# Altium PCB DUAL OC OUTPUT.PcbDoc
Units mil, origin at the board's own origin, x right, y up, seen from the top; angles counter-clockwise.
Board outline 3421 x 1967 mil, 2 copper layers (Top Layer, Bottom Layer); 12 components, 54 nets, 125 pads, 3 vias.
Unrouted connection lines stored in the file: 8.
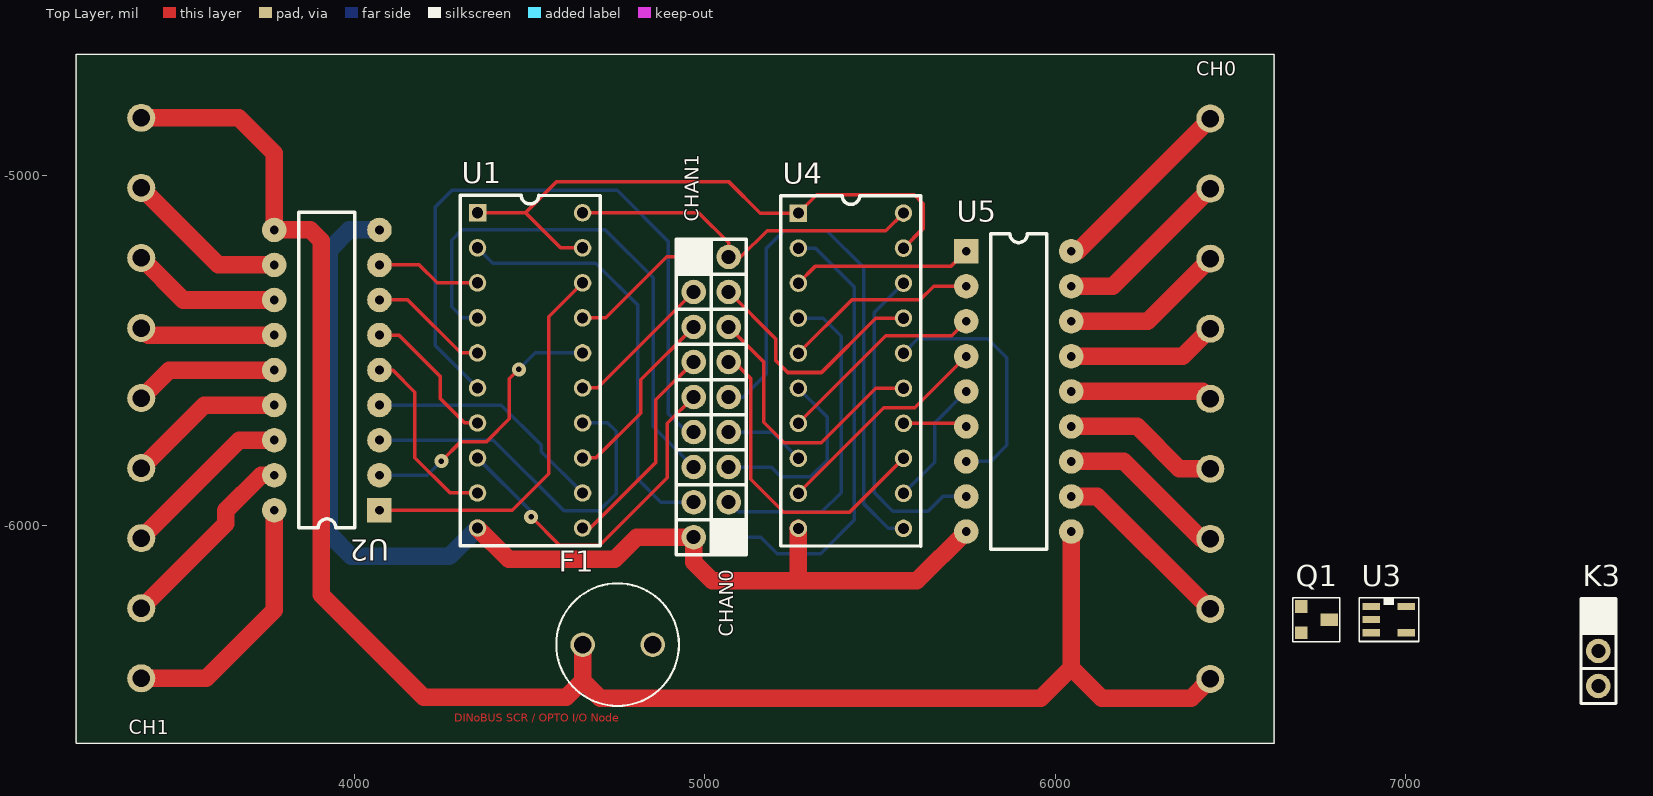
[diagram p0: Top Layer view]
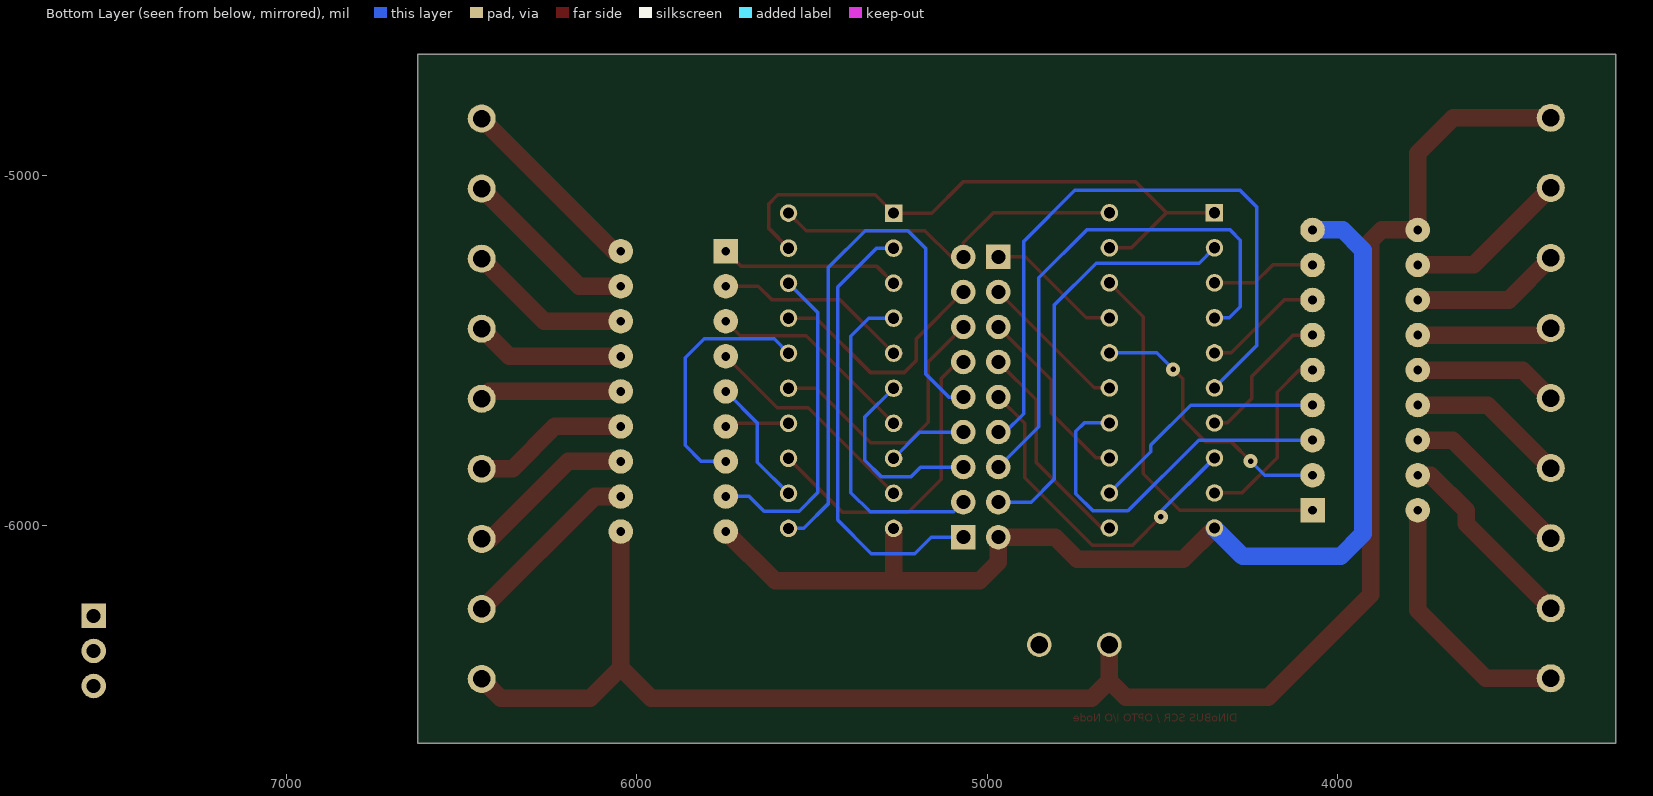
[diagram p1: Bottom Layer view, seen from below]

## Layer stack, top to bottom
Top Layer: signal copper 1.4
Dielectric: core 12.6, FR-4, Dk 4.8
Bottom Layer: signal copper 1.4

## Board outline
3205,-6621 6626,-6621 6626,-4654 3205,-4654

## Design rules (kind name [scope] priority, off if disabled: settings)
AssemblyTestPointUsage [All] p1 off:
AssemblyTestpoint [All] p1 off: testpointundercomponent=TRUE minsize=40 maxsize=100 preferedsize=60 minholesize=0 maxholesize=40 preferedholesize=32 testpointgrid=1 usegrid=TRUE gridtolerance=0.01 allowsidetop=TRUE allowsidebottom=TRUE
Clearance [All] p1: gap=10
ComponentClearance [All] p1 off: gap=10 collisioncheckmode=3 verticalgap=10 showdistances=FALSE
DiffPairsRouting [All] p1 off: maxlimit=10 minlimit=10 mostfreqgap=10 maxuncoupledlength=500
FabricationTestPointUsage TestPointUsage [All] p1 off: valid=0 allowmultiple=FALSE
FabricationTestpoint Testpoint [All] p1 off: side=3 testpointundercomponent=TRUE minsize=40 maxsize=100 preferedsize=60 minholesize=0 maxholesize=40 preferedholesize=32 testpointgrid=1 allowsidetop=TRUE allowsidebottom=TRUE usegrid=TRUE gridtolerance=0.01
FanoutControl Fanout_BGA [IsBGA] p1 off: bgadir=Out bgaviamode=Centered fanoutstyle=Auto fanoutdirection=Alternating viagrid=1 // Fanout_BGA (Default Rule)
FanoutControl Fanout_LCC [IsLCC] p2 off: bgadir=Out bgaviamode=Centered fanoutstyle=Auto fanoutdirection=Alternating viagrid=1 // Fanout_LCC (Default Rule)
FanoutControl Fanout_SOIC [IsSOIC] p3 off: bgadir=Out bgaviamode=Centered fanoutstyle=Auto fanoutdirection=Alternating viagrid=1 // Fanout_SOIC (Default Rule)
FanoutControl Fanout_Small [(CompPinCount < 5)] p4 off: bgadir=Out bgaviamode=Centered fanoutstyle=Auto fanoutdirection=OutThenIn viagrid=1 // Fanout_Small (Default Rule)
FanoutControl Fanout_Default [All] p5 off: bgadir=Out bgaviamode=Centered fanoutstyle=Auto fanoutdirection=Alternating viagrid=1 // Fanout_Default (Default Rule)
Height [All] p1 off: minheight=0 maxheight=1000 prefheight=500
HoleSize [All] p1: absolutevalues=TRUE maxlimit=500 minlimit=1 maxpercent=80.000 minpercent=20.000
LayerPairs [All] p1 off: enforce=TRUE
MinimumAnnularRing "Minimum Annular Ring" [All] p1: minimumring=5 // This is manufacturing dependent. Sierra = 5. This can go to 4 if needed, but keep 5 if possible
MinimumSolderMaskSliver [All] p1 off: minsoldermaskwidth=10
PasteMaskExpansion [All] p1 off: expansion=0
PlaneClearance [All] p1: clearance=6
PlaneConnect "PlaneConnect GND" [InNet('GND')] p1: planeconnectstyle=Direct reliefexpansion=6 reliefentries=4 reliefconductorwidth=10 reliefairgap=6
PlaneConnect "PlaneConnect GENERIC" [All] p2: planeconnectstyle=Relief reliefexpansion=20 reliefentries=4 reliefconductorwidth=10 reliefairgap=10
PolygonConnect [All] p1: connectstyle=Direct reliefconductorwidth=15 reliefentries=4 polygonreliefangle="90 Angle"
RoutingPriority [All] p1 off: routingpriority=0
RoutingTopology [All] p1 off: topology=Shortest
RoutingVias "Routing Vias" [All] p1: holewidth=10 width=30 viastyle="Through Hole" minholewidth=16 minwidth=40 maxholewidth=80 maxwidth=100 // Generic routing via rules
ShortCircuit "Short Circuit Generic Rule" [All] p1: allowed=FALSE // Short circuit Rule : No shorts allowed
SilkToSilkClearance [All] p1 off: silktosilkclearance=10
SilkscreenOverComponentPads [All] p1 off: minsilkscreentomaskgap=10
SolderMaskExpansion "SolderMask Expansion Via's" [(IsVia)] p1: expansion=-40 // Via's should be painted closed. Set to -40
SolderMaskExpansion "Solder Mask Expansion Generic" [All] p2: expansion=2 // Generic solder mask expansion
UnRoutedNet "Un Routed Net" [All] p1:  // Broken Nets not allowed
Width "Generic Width Rules" [All] p1: maxlimit=100 minlimit=10 preferedwidth=10 minimp=50.000000 maximp=50.000000 favimp=50.000000 // Generic width rules applicable if no specific rule is in effect
4 further rules are at their usual default settings.

## Components (designator, comment, footprint, x,y, rotation, side; value= is the part's Value field where it differs from the comment)
CH0 "PRKR-9-5.08MM" PRKR-9-5.08MM 6443,-6438 r90 top
CH1 "PRKR-9-5.08MM" PRKR-9-5.08MM 3391,-4836 r270 top
CHAN0 "HEADER-1X9" HEADER-1X9 5068,-6033 r180 top
CHAN1 "HEADER-1X9" HEADER-1X9 4968,-5233 r0 top
F1 "FUSE-372SERIES" FUSE-372 4651,-6340 r0 top
K3 "HEADER-1X3" HEADER-1X3 7551,-6258 r0 top
Q1 "2N7002" SOT23-GDS 6703,-6231 r0 top
U1 "74HCT240" DIP20 4351,-5107 r0 top
U2 "ULN2803DIL" DIP18 4071,-5956 r180 top
U3 "74V1G14" SOT23-5 6903,-6231 r0 top
U4 "74HCT240" DIP20 5267,-5108 r0 top
U5 "ULN2803DIL" DIP18 5746,-5217 r0 top

## Footprints (in the part's own frame and the unit in brackets; to place one, negate y for a bottom-side part, rotate by r counter-clockwise, add the part's x,y. Pads: shape width x height; smd on the part's side, far side on the other; paste and mask are expansions set on the pad)
DIP18 [mil]
  rect 70x70 hole 25: 1(0,0)
  round 70 hole 25: 2(0,-100) 3(0,-200) 4(0,-300) 5(0,-400) 6(0,-500) 7(0,-600) 8(0,-700) 9(0,-800) 10(300,-800) 11(300,-700) 12(300,-600) 13(300,-500) 14(300,-400) 15(300,-300) 16(300,-200) 17(300,-100) 18(300,0)
  silkscreen extent 70,-850 230,50
DIP20 [mil]
  rect 50x50 hole 32: 1(0,0)
  round 50 hole 32: 2(0,-100) 3(0,-200) 4(0,-300) 5(0,-400) 6(0,-500) 7(0,-600) 8(0,-700) 9(0,-800) 10(0,-900) 11(300,-900) 12(300,-800) 13(300,-700) 14(300,-600) 15(300,-500) 16(300,-400) 17(300,-300) 18(300,-200) 19(300,-100) 20(300,0)
  silkscreen extent -50,-951 350,50
FUSE-372 [mil]
  round 70 hole 50 unplated mask+2: 1(0,0) 2(200,0)
  silkscreen extent -75,-175 275,175, body extent -66,-167 267,167, height 315
HEADER-1X3 [mil]
  rect 70x70 hole 40: 1(0,0)
  round 70 hole 40: 2(0,-100) 3(0,-200)
  silkscreen extent -50,-250 50,50, body extent -50,-250 50,50, height 470
HEADER-1X9 [mil]
  rect 70x70 hole 40: 1(0,0)
  round 70 hole 40: 2(0,-100) 3(0,-200) 4(0,-300) 5(0,-400) 6(0,-500) 7(0,-600) 8(0,-700) 9(0,-800)
  silkscreen extent -50,-850 50,50, body extent -50,-850 50,50, height 470
PRKR-9-5.08MM [mil]
  round 80 hole 50 unplated mask+2: 1(0,0) 2(200,0) 3(400,0) 4(600,0) 5(800,0) 6(1000,0) 7(1200,0) 8(1400,0) 9(1600,0)
  body extent -100,-177 1720,177, height 598
SOT23-5 [mil]
  rect 50x20 smd: 1(0,0) 2(0,-37) 3(0,-75) 4(100,-75) 5(100,0)
  silkscreen extent -35,-100 135,25, body extent 2,-95 98,20, height 52
SOT23-GDS [mil]
  rect 50x36 smd: D(80,-38)
  rect 36x36 smd: G(0,0) S(0,-75)
  silkscreen extent -25,-100 110,25, body extent -3,-95 94,20, height 41

## Part data
F1: "FUSE-372"
Q1: library part 2N7002-SOT23, "N CHANNEL MOSFET 2N7002 SOT23"
U1 U4: library part 74240DIL, "74240"
U2 U5: "OCTAL HIGH CURRENT DRIVER"
U3: "SINGLE GATE SCHMITTTRIGGER"

## Via types
v1: diameter 40, hole 16, Top Layer to Bottom Layer, 3 vias

## Nets (pads, with @x,y where several pads share a name; then routed paths per layer and width w, separated by ;. In a path a pad name is that pad's centre, name@x,y a point inside that pad or via, vN(x,y) a via of type N, cw(c..) or ccw(c..) an arc to the next point about the centre after c; other vN are vias at no path point)
GND: CHAN1.9 K3.1 Q1.S U1.10 U2.9 U3.3 U4.10 U5.9 | length 3225.7
  Top Layer w50: U1.10 4440,-6096 4743,-6096 4806,-6033 CHAN1.9 4968,-6105 5021,-6158 5277,-6158 ; U4.10 5267,-6148 5277,-6158 ; U5.9 5605,-6158 5277,-6158
  Bottom Layer w50: U2.9 3985,-5156 3927,-5214 3927,-6024 3990,-6087 4271,-6087 U1.10
NetCH0_1: CH0.1 CH1.1 F1.1 U2.10 U5.10 | length 5084.7
  Top Layer w50: CH1.1 3670,-4836 3771,-4937 U2.10 3874,-5156 3905,-5187 3905,-6198 4197,-6490 4604,-6490 4651,-6443 ; F1.1 4651,-6443 ; U5.10 6046,-6406 ; CH0.1 6388,-6493 6133,-6493 6046,-6406 ; 4651,-6443 4701,-6493 5959,-6493 6046,-6406
NetCH0_2: CH0.2 U5.11 | length 530
  Top Layer w50: U5.11 6120,-5917 6441,-6238 CH0.2
NetCH0_3: CH0.3 U5.12 | length 488.5
  Top Layer w50: U5.12 6196,-5817 6417,-6038 CH0.3
NetCH0_4: CH0.4 U5.13 | length 447.1
  Top Layer w50: U5.13 6234,-5717 6355,-5838 CH0.4
NetCH0_5: CH0.5 U5.14 | length 405.7
  Top Layer w50: U5.14 6422,-5617 CH0.5
NetCH0_6: CH0.6 U5.15 | length 429.7
  Top Layer w50: U5.15 6364,-5517 CH0.6
NetCH0_7: CH0.7 U5.16 | length 471.1
  Top Layer w50: U5.16 6264,-5417 CH0.7
NetCH0_8: CH0.8 U5.17 | length 512.6
  Top Layer w50: U5.17 6164,-5317 CH0.8
NetCH0_9: CH0.9 U5.18 | length 554
  Top Layer w50: U5.18 6064,-5217 CH0.9
NetCH1_2: CH1.2 U2.11 | length 471.1
  Top Layer w50: CH1.2 3611,-5256 U2.11
NetCH1_3: CH1.3 U2.12 | length 429.7
  Top Layer w50: CH1.3 3511,-5356 U2.12
NetCH1_4: CH1.4 U2.13 | length 388.3
  Top Layer w50: CH1.4 3411,-5456 U2.13
NetCH1_5: CH1.5 U2.14 | length 413.1
  Top Layer w50: CH1.5 3471,-5556 U2.14
NetCH1_6: CH1.6 U2.15 | length 454.6
  Top Layer w50: CH1.6 3571,-5656 U2.15
NetCH1_7: CH1.7 U2.16 | length 496
  Top Layer w50: CH1.7 3671,-5756 U2.16
NetCH1_8: CH1.8 U2.17 | length 559.7
  Top Layer w50: CH1.8 3632,-5995 3632,-5957 3733,-5856 U2.17
NetCH1_9: CH1.9 U2.18 | length 746.4
  Top Layer w50: CH1.9 3577,-6436 3771,-6242 U2.18
NetCHAN0_1: CHAN0.1 U4.2 | length 1289.2
  Bottom Layer w10: CHAN0.1 5160,-6033 5207,-6080 5331,-6080 5427,-5984 5427,-5319 5316,-5208 U4.2
NetCHAN0_2: CHAN0.2 U4.4 | length 945.5
  Bottom Layer w10: CHAN0.2 5096,-5961 5334,-5961 5389,-5906 5389,-5459 5338,-5408 U4.4
NetCHAN0_3: CHAN0.3 U4.6 | length 551.2
  Bottom Layer w10: CHAN0.3 5190.16,-5833 5217.16,-5860 5303,-5860 5349,-5814 5349,-5690 U4.6
NetCHAN0_4: CHAN0.4 U4.8 | length 230.1
  Bottom Layer w10: CHAN0.4 5192,-5733 U4.8
NetCHAN0_5: CHAN0.5 U4.11 | length 1653
  Bottom Layer w10: CHAN0.5 5110,-5633 5176,-5567 5176,-5208 5226,-5158 5348,-5158 5453,-5263 5453,-5937 5524,-6008 U4.11
NetCHAN0_6: CHAN0.6 U4.13 | length 909.2
  Top Layer w10: CHAN0.6 5084,-5533 5131,-5580 5131,-5868 5225,-5962 5413,-5962 U4.13
NetCHAN0_7: CHAN0.7 U4.15 | length 801.5
  Top Layer w10: CHAN0.7 5168,-5533 5168,-5705 5227,-5764 5332,-5764 5488,-5608 U4.15
NetCHAN0_8: CHAN0.8 U4.17 | length 694.2
  Top Layer w10: CHAN0.8 5203,-5468 5203,-5529 5237,-5563 5333,-5563 5488,-5408 U4.17
NetCHAN1_1: CHAN1.1 U1.17 | length 389.1
  Top Layer w10: U1.17 4717,-5407 4891,-5233 CHAN1.1
NetCHAN1_2: CHAN1.2 U1.15 | length 430.5
  Top Layer w10: U1.15 4694,-5607 CHAN1.2
NetCHAN1_3: CHAN1.3 U1.13 | length 527.6
  Top Layer w10: U1.13 4689,-5807 4817,-5679 4817,-5584 CHAN1.3
NetCHAN1_4: CHAN1.4 U1.11 | length 618.2
  Top Layer w10: U1.11 4673,-6007 4860,-5820 4860,-5641 CHAN1.4
NetCHAN1_5: CHAN1.5 U1.8 | length 994.9
  Top Layer w10: v1(4504,-5975) 4585,-6056 4700,-6056 4893,-5863 4893,-5708 CHAN1.5
  Bottom Layer w10: U1.8 4504,-5960 v1(4504,-5975)
NetCHAN1_6: CHAN1.6 U1.6 | length 1897.2
  Bottom Layer w10: U1.6 4231,-5487 4231,-5090 4278,-5043 4750,-5043 4896,-5189 4896,-5681 4948,-5733 CHAN1.6
NetCHAN1_7: CHAN1.7 U1.4 | length 1509.6
  Bottom Layer w10: U1.4 4309,-5407 4277,-5375 4277,-5185 4306,-5156 4716,-5156 4853,-5293 4853,-5718 CHAN1.7
NetCHAN1_8: CHAN1.8 U1.2 | length 1208.9
  Bottom Layer w10: U1.2 4395,-5251 4689,-5251 4809,-5371 4809,-5868 4874,-5933 CHAN1.8
NetF1_2: F1.2 K3.2
NetK3_3: K3.3 Q1.G U3.2
NetU1_1: U1.1 U1.19 U3.4 U4.1 U4.19 | length 1731.8
  Top Layer w10: U1.1 4488,-5107 ; U1.19 4588,-5207 4488,-5107 ; U4.19 5623,-5152 5623,-5081 5598,-5056 5319,-5056 U4.1 5158,-5108 5069,-5019 4576,-5019 4488,-5107
NetU1_3: U1.3 U2.8 | length 301.1
  Top Layer w10: U2.8 4185,-5256 4236,-5307 U1.3
NetU1_5: U1.5 U2.7 | length 342.5
  Top Layer w10: U2.7 4152,-5356 4303,-5507 U1.5
NetU1_7: U1.7 U2.6 | length 420.3
  Top Layer w10: U2.6 4126,-5456 4244,-5574 4244,-5636 4315,-5707 U1.7
NetU1_9: U1.9 U2.5 | length 534.9
  Top Layer w10: U2.5 4109,-5556 4172,-5619 4172,-5806 4273,-5907 U1.9
NetU1_12: U1.12 U2.4 | length 695.1
  Bottom Layer w10: U2.4 4419,-5656 4533,-5770 4533,-5789 U1.12
NetU1_14: U1.14 U2.3 | length 1063.9
  Bottom Layer w10: U2.3 4396,-5756 4598,-5958 4698,-5958 4747,-5909 4747,-5731 4723,-5707 U1.14
NetU1_16: U1.16 U2.2 | length 791.3
  Top Layer w10: v1(4248,-5816) 4304,-5760 4377,-5760 4442,-5695 4442,-5581 v1(4469,-5554)
  Bottom Layer w10: U2.2 4208,-5856 v1(4248,-5816) ; v1(4469,-5554) 4516,-5507 U1.16
NetU1_18: U1.18 U2.1 | length 1111.3
  Top Layer w10: U2.1 4450,-5956 4554,-5852 4554,-5404 U1.18
NetU4_3: U4.3 U5.1 | length 516.7
  Top Layer w10: U4.3 5316,-5259 5704,-5259 U5.1
NetU4_5: U4.5 U5.2 | length 558.1
  Top Layer w10: U4.5 5419,-5356 5614,-5356 5653,-5317 U5.2
NetU4_7: U4.7 U5.3 | length 599.5
  Top Layer w10: U4.7 5517,-5458 5705,-5458 U5.3
NetU4_9: U4.9 U5.4 | length 641
  Top Layer w10: U4.9 5511,-5664 5599,-5664 U5.4
NetU4_12: U4.12 U5.5 | length 365.1
  Bottom Layer w10: U4.12 5656,-5819 5656,-5707 U5.5
NetU4_14: U4.14 U5.6 | length 182.7
  Top Layer w10: U4.14 5737,-5708 U5.6
NetU4_16: U4.16 U5.7 | length 719.4
  Bottom Layer w10: U4.16 5608,-5467 5808,-5467 5862,-5521 5862,-5771 5816,-5817 U5.7
NetU4_18: U4.18 U5.8 | length 934.6
  Bottom Layer w10: U4.18 5483,-5392 5483,-5905 5537,-5959 5637,-5959 5679,-5917 U5.8
VCC: CHAN0.9 U1.20 U3.5 U4.20 | length 1043.4
  Top Layer w10: U1.20 4982,-5107 5068,-5193 CHAN0.9 5103,-5233 5178,-5158 5517,-5158 U4.20
pads on no net: Q1.D U3.1

## Other copper
Top Layer:
  text "DINoBUS SCR / OPTO I/O Node" at 4284,-6568 h40

## Silkscreen, mask and mechanical layers (free items; w line width, h text height)
Top Overlay:
  the board outline again, w1
Mechanical 1:
  lines w1: 3829,-6036.58 6402.73,-6036.58 ; 3970,-6437.58 6403.73,-6437.58 ; 3970,-6237.58 6403.73,-6237.58 ; 3981,-5235.58 6401.73,-5235.58 ; 3989,-5836.58 6402.73,-5836.58 ; 4039,-5637.58 6403.73,-5637.58 ; 4039,-4837.58 6403.73,-4837.58 ; 4041,-5037.58 6403.73,-5037.58 ; 4074,-5437.58 6403.73,-5437.58